# KiCad board ETH1CLCR2.kicad_pcb (continued)
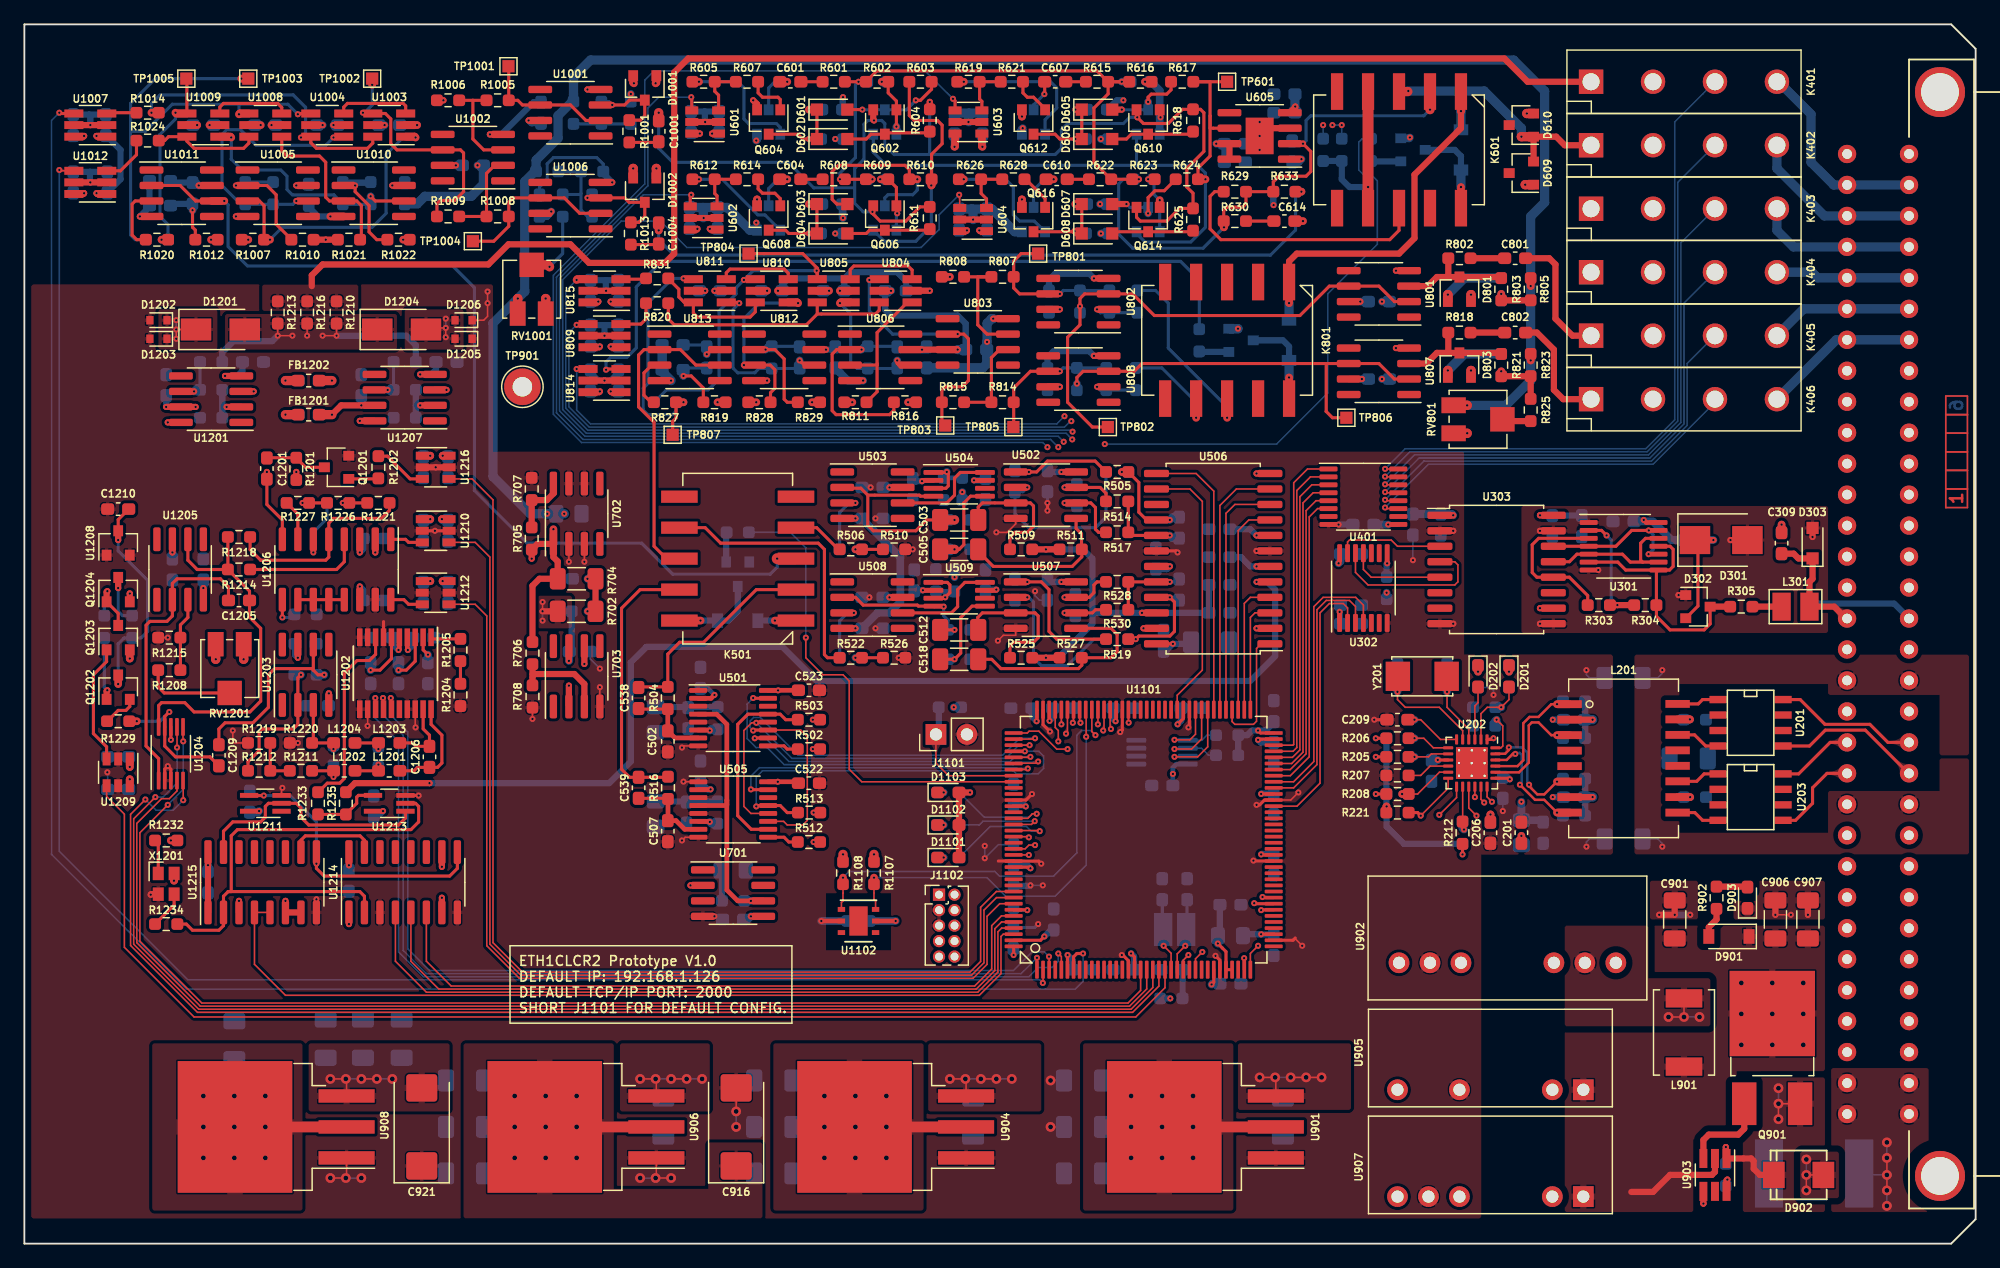
[diagram p0: board, top side]
## Footprints (pads in the part's own frame, mm; a bottom-side part is the same pattern mirrored in y, then rotated) (continued)
SOIC-8-1EP_3.9x4.9mm_P1.27mm_EP2.29x3mm
  rrect 0.92x1.21 smd: (-0.57,0.75) (-0.57,-0.75) (0.57,0.75) (0.57,-0.75)
  rrect 1.95x0.6 smd: 1(-2.475,1.905) 2(-2.475,0.635) 3(-2.475,-0.635) 4(-2.475,-1.905) 5(2.475,-1.905) 6(2.475,-0.635) 7(2.475,0.635) 8(2.475,1.905)
  rect 2.29x3 smd: 9(0,0)
SOIC-8_3.9x4.9mm_P1.27mm
  rrect 1.95x0.6 smd: 1(-2.475,1.905) 2(-2.475,0.635) 3(-2.475,-0.635) 4(-2.475,-1.905) 5(2.475,-1.905) 6(2.475,-0.635) 7(2.475,0.635) 8(2.475,1.905)
SOIC-16_3.9x9.9mm_P1.27mm
  rrect 1.95x0.6 smd: 1(-2.475,4.445) 2(-2.475,3.175) 3(-2.475,1.905) 4(-2.475,0.635) 5(-2.475,-0.635) 6(-2.475,-1.905) 7(-2.475,-3.175) 8(-2.475,-4.445) 9(2.475,-4.445) 10(2.475,-3.175) 11(2.475,-1.905) 12(2.475,-0.635) 13(2.475,0.635) 14(2.475,1.905) 15(2.475,3.175) 16(2.475,4.445)
SOIC-16W_7.5x10.3mm_P1.27mm
  rrect 2.05x0.6 smd: 1(-4.65,4.445) 2(-4.65,3.175) 3(-4.65,1.905) 4(-4.65,0.635) 5(-4.65,-0.635) 6(-4.65,-1.905) 7(-4.65,-3.175) 8(-4.65,-4.445) 9(4.65,-4.445) 10(4.65,-3.175) 11(4.65,-1.905) 12(4.65,-0.635) 13(4.65,0.635) 14(4.65,1.905) 15(4.65,3.175) 16(4.65,4.445)
SOIC-24W_7.5x15.4mm_P1.27mm
  rrect 2.05x0.6 smd: 1(-4.65,6.985) 2(-4.65,5.715) 3(-4.65,4.445) 4(-4.65,3.175) 5(-4.65,1.905) 6(-4.65,0.635) 7(-4.65,-0.635) 8(-4.65,-1.905) 9(-4.65,-3.175) 10(-4.65,-4.445) 11(-4.65,-5.715) 12(-4.65,-6.985) 13(4.65,-6.985) 14(4.65,-5.715) 15(4.65,-4.445) 16(4.65,-3.175) 17(4.65,-1.905) 18(4.65,-0.635) 19(4.65,0.635) 20(4.65,1.905) 21(4.65,3.175) 22(4.65,4.445) 23(4.65,5.715) 24(4.65,6.985)
SOT-23
  rect 0.9x0.8 smd: 1(-1,0.95) 2(-1,-0.95) 3(1,0)
SOT-23-6
  rect 1.06x0.65 smd: 1(-1.1,0.95) 2(-1.1,0) 3(-1.1,-0.95) 4(1.1,-0.95) 5(1.1,0) 6(1.1,0.95)
SOT-23-6_Handsoldering
  rect 1.56x0.65 smd: 1(-1.35,0.95) 2(-1.35,0) 3(-1.35,-0.95) 4(1.35,-0.95) 5(1.35,0) 6(1.35,0.95)
SOT-353_SC-70-5_Handsoldering
  rect 1.5x0.4 smd: 1(-1.33,0.65) 2(-1.33,0) 3(-1.33,-0.65) 4(1.33,-0.65) 5(1.33,0.65)
TestPoint_Loop_D2.60mm_Drill1.6mm_Beaded
  round 3 hole 1.6: 1(0,0)
TestPoint_Pad_1.0x1.0mm
  rect 1x1 smd: 1(0,0)
Texas_PWSON-N6
  rect 0.6x0.4 smd: 1(-1.4,0.95) 2(-1.4,0) 3(-1.4,-0.95) 4(1.4,-0.95) 5(1.4,0) 6(1.4,0.95)
  rect 1.5x2.4 smd: 7(0,0)
TO-252-2_Rectifier
  rect 3.5x2 smd: 1(-4.575,2.3) 3(-4.575,-2.28)
  rect 7x7 smd: 2(2.825,0)
TO-263-3_TabPin2
  rect 4.55x5.25 smd: (0.95,2.775) (0.95,-2.775) (5.8,2.775) (5.8,-2.775)
  rect 4.6x1.1 smd: 1(-5.775,2.54) 2(-5.775,0) 3(-5.775,-2.54)
  rect 9.4x10.8 smd: 2(3.375,0)
TQFP-144_20x20mm_P0.5mm
  rrect 1.475x0.3 smd: 1(-10.662,8.75) 2(-10.662,8.25) 3(-10.662,7.75) 4(-10.662,7.25) 5(-10.662,6.75) 6(-10.662,6.25) 7(-10.662,5.75) 8(-10.662,5.25) 9(-10.662,4.75) 10(-10.662,4.25) 11(-10.662,3.75) 12(-10.662,3.25) 13(-10.662,2.75) 14(-10.662,2.25) 15(-10.662,1.75) 16(-10.662,1.25) 17(-10.662,0.75) 18(-10.662,0.25) 19(-10.662,-0.25) 20(-10.662,-0.75) 21(-10.662,-1.25) 22(-10.662,-1.75) 23(-10.662,-2.25) 24(-10.662,-2.75) 25(-10.662,-3.25) 26(-10.662,-3.75) 27(-10.662,-4.25) 28(-10.662,-4.75) 29(-10.662,-5.25) 30(-10.662,-5.75) 31(-10.662,-6.25) 32(-10.662,-6.75) 33(-10.662,-7.25) 34(-10.662,-7.75) 35(-10.662,-8.25) 36(-10.662,-8.75) 73(10.662,-8.75) 74(10.662,-8.25) 75(10.662,-7.75) 76(10.662,-7.25) 77(10.662,-6.75) 78(10.662,-6.25) 79(10.662,-5.75) 80(10.662,-5.25) 81(10.662,-4.75) 82(10.662,-4.25) 83(10.662,-3.75) 84(10.662,-3.25) 85(10.662,-2.75) 86(10.662,-2.25) 87(10.662,-1.75) 88(10.662,-1.25) 89(10.662,-0.75) 90(10.662,-0.25) 91(10.662,0.25) 92(10.662,0.75) 93(10.662,1.25) 94(10.662,1.75) 95(10.662,2.25) 96(10.662,2.75) 97(10.662,3.25) 98(10.662,3.75) 99(10.662,4.25) 100(10.662,4.75) 101(10.662,5.25) 102(10.662,5.75) 103(10.662,6.25) 104(10.662,6.75) 105(10.662,7.25) 106(10.662,7.75) 107(10.662,8.25) 108(10.662,8.75)
  rrect 0.3x1.475 smd: 37(-8.75,-10.662) 38(-8.25,-10.662) 39(-7.75,-10.662) 40(-7.25,-10.662) 41(-6.75,-10.662) 42(-6.25,-10.662) 43(-5.75,-10.662) 44(-5.25,-10.662) 45(-4.75,-10.662) 46(-4.25,-10.662) 47(-3.75,-10.662) 48(-3.25,-10.662) 49(-2.75,-10.662) 50(-2.25,-10.662) 51(-1.75,-10.662) 52(-1.25,-10.662) 53(-0.75,-10.662) 54(-0.25,-10.662) 55(0.25,-10.662) 56(0.75,-10.662) 57(1.25,-10.662) 58(1.75,-10.662) 59(2.25,-10.662) 60(2.75,-10.662) 61(3.25,-10.662) 62(3.75,-10.662) 63(4.25,-10.662) 64(4.75,-10.662) 65(5.25,-10.662) 66(5.75,-10.662) 67(6.25,-10.662) 68(6.75,-10.662) 69(7.25,-10.662) 70(7.75,-10.662) 71(8.25,-10.662) 72(8.75,-10.662) 109(8.75,10.662) 110(8.25,10.662) 111(7.75,10.662) 112(7.25,10.662) 113(6.75,10.662) 114(6.25,10.662) 115(5.75,10.662) 116(5.25,10.662) 117(4.75,10.662) 118(4.25,10.662) 119(3.75,10.662) 120(3.25,10.662) 121(2.75,10.662) 122(2.25,10.662) 123(1.75,10.662) 124(1.25,10.662) 125(0.75,10.662) 126(0.25,10.662) 127(-0.25,10.662) 128(-0.75,10.662) 129(-1.25,10.662) 130(-1.75,10.662) 131(-2.25,10.662) 132(-2.75,10.662) 133(-3.25,10.662) 134(-3.75,10.662) 135(-4.25,10.662) 136(-4.75,10.662) 137(-5.25,10.662) 138(-5.75,10.662) 139(-6.25,10.662) 140(-6.75,10.662) 141(-7.25,10.662) 142(-7.75,10.662) 143(-8.25,10.662) 144(-8.75,10.662)
TSSOP-14_4.4x5mm_P0.65mm
  rrect 1.475x0.4 smd: 1(-2.862,1.95) 2(-2.862,1.3) 3(-2.862,0.65) 4(-2.862,0) 5(-2.862,-0.65) 6(-2.862,-1.3) 7(-2.862,-1.95) 8(2.862,-1.95) 9(2.862,-1.3) 10(2.862,-0.65) 11(2.862,0) 12(2.862,0.65) 13(2.862,1.3) 14(2.862,1.95)
TSSOP-16_4.4x5mm_P0.65mm
  rrect 1.475x0.4 smd: 1(-2.862,2.275) 2(-2.862,1.625) 3(-2.862,0.975) 4(-2.862,0.325) 5(-2.862,-0.325) 6(-2.862,-0.975) 7(-2.862,-1.625) 8(-2.862,-2.275) 9(2.862,-2.275) 10(2.862,-1.625) 11(2.862,-0.975) 12(2.862,-0.325) 13(2.862,0.325) 14(2.862,0.975) 15(2.862,1.625) 16(2.862,2.275)
TSSOP-20_4.4x6.5mm_P0.65mm
  rect 1.45x0.45 smd: 1(-2.95,2.925) 2(-2.95,2.275) 3(-2.95,1.625) 4(-2.95,0.975) 5(-2.95,0.325) 6(-2.95,-0.325) 7(-2.95,-0.975) 8(-2.95,-1.625) 9(-2.95,-2.275) 10(-2.95,-2.925) 11(2.95,-2.925) 12(2.95,-2.275) 13(2.95,-1.625) 14(2.95,-0.975) 15(2.95,-0.325) 16(2.95,0.325) 17(2.95,0.975) 18(2.95,1.625) 19(2.95,2.275) 20(2.95,2.925)
VSSOP-10_3x3mm_P0.5mm
  rrect 1.45x0.3 smd: 1(-2.2,1) 2(-2.2,0.5) 3(-2.2,0) 4(-2.2,-0.5) 5(-2.2,-1) 6(2.2,-1) 7(2.2,-0.5) 8(2.2,0) 9(2.2,0.5) 10(2.2,1)

## Nets
+1V5: R533.2 R535.2 R808.1 R811.2 R816.2 R828.2 R829.2 R1006.1 R1007.2 R1010.2 R1021.2 R1022.2 U703.2 U703.6
+3.3VP: C705.1 R704.1 R705.1 R706.1 R805.1 R823.1 R1004.1 R1018.1 RV801.1 RV1001.1 U702.1
+3V3: C201.1 C202.1 C301.1 C302.1 C522.1 C523.1 C535.1 C536.1 C619.1 C620.1 C621.1 C622.1 C818.1 C819.1 C820.1 C903.1 C904.1 C905.1 C1018.1 C1019.1 C1106.1 C1107.1 C1108.1 C1109.1 C1110.1 C1111.1 C1112.1 C1113.1 C1114.1 C1115.1 C1116.1 C1117.1 C1118.1 C1119.1 C1120.1 C1121.1 C1223.1 C1224.1 C1225.1 C1226.1 C1227.1 C1228.1 C1229.1 C1230.1 C1232.1 D1101.2 D1102.2 D1103.2 FB201.2 FB1101.2 J1102.1 R217.1 R218.1 R219.1 R220.1 R221.1 R301.1 R502.1 R503.1 R512.1 R513.1 R702.1 R1104.1 R1106.2 R1107.1 R1108.1 R1109.1 R1110.1 R1232.1 U202.9 U302.1 U501.16 U505.16 U506.2 U506.6 U506.8 U506.12 U601.6 U602.6 U603.6 U604.6 U809.6 U814.6 U815.6 U901.2 U1007.6 U1012.6 U1101.6 U1101.17 U1101.30 U1101.39 U1101.52 U1101.62 U1101.72 U1101.84 U1101.95 U1101.108 U1101.121 U1101.131 U1101.143 U1101.144 U1102.5 U1103.8 U1202.5 U1204.8 U1209.6 U1210.6 U1211.5 U1212.6 U1213.5 U1214.1 U1214.7 U1214.10 U1214.16 U1215.1 U1215.3 U1215.6 U1215.7 U1215.16 U1216.6 X1201.4
+4V: R701.1 U501.4 U505.4 U701.6
+5V: C303.1 C304.1 C305.1 C401.1 C520.1 C521.1 C534.1 C615.1 C616.1 C617.1 C618.1 C821.1 C822.1 C823.1 C909.1 C910.1 C911.1 C1016.1 C1017.1 C1220.1 C1221.1 C1222.1 C1231.1 D501.1 D611.1 D802.1 K401.2 K402.2 K403.2 K404.2 K405.2 K406.2 K501.1 K601.1 K801.1 U302.14 U303.1 U401.9 U501.2 U505.2 U506.19 U601.1 U602.1 U603.1 U604.1 U701.2 U809.1 U814.1 U815.1 U904.2 U1007.1 U1012.1 U1209.1 U1210.1 U1212.1 U1216.1
+5V_TRIG: C306.1 C307.1 C308.1 R302.1 U301.14 U303.10 U303.16
+5VA: C524.1 C525.1 C526.1 C527.1 C528.1 C529.1 C623.1 C625.1 C807.1 C808.1 C809.1 C810.1 C811.1 C812.1 C813.1 C814.1 C815.1 C816.1 C817.1 C913.1 C914.1 C915.1 C916.1 C1007.1 C1008.1 C1009.1 C1010.1 C1011.1 C1012.1 C1013.1 C1014.1 C1015.1 C1211.1 C1212.1 C1213.1 C1214.1 C1215.1 D801.2 D803.2 D1001.2 D1002.2 D1201.1 D1202.1 D1203.1 FB1201.1 Q604.2 Q608.2 Q612.2 Q616.2 Q1203.2 R819.2 R1012.2 R1201.1 RV1201.1 U502.8 U503.7 U504.2 U507.8 U508.7 U509.2 U605.7 U605.8 U801.7 U802.7 U803.7 U804.5 U805.5 U806.7 U807.7 U808.7 U810.5 U811.5 U812.7 U906.2 U1001.7 U1002.7 U1003.5 U1004.5 U1005.7 U1006.7 U1008.5 U1009.5 U1010.7 U1201.8 U1202.4 U1203.7 U1205.7 U1206.2 U1206.14 U1207.8
+24V: F901.2 J401.A31 J401.A32 J401.C31 J401.C32
-5VA: C530.1 C531.1 C532.1 C533.1 C624.1 C626.1 C918.2 C919.2 C920.2 C921.2 C1216.1 C1217.1 C1218.1 C1219.1 D1204.2 D1205.2 D1206.2 FB1202.1 Q1204.2 R606.2 R613.2 R620.2 R627.2 RV1201.3 U503.4 U504.7 U508.4 U509.7 U605.4 U908.3 U1203.4 U1205.4 U1206.3
GND: C201.2 C202.2 C203.2 C204.2 C205.2 C206.2 C207.2 C208.2 C209.2 C210.2 C212.2 C213.2 C214.2 C301.2 C302.2 C303.2 C304.2 C305.2 C401.2 C502.2 C507.2 C509.2 C510.2 C511.2 C513.2 C514.2 C515.2 C516.2 C520.2 C521.2 C522.2 C523.2 C524.2 C525.2 C526.2 C527.2 C528.2 C529.2 C530.2 C531.2 C532.2 C533.2 C534.2 C535.2 C536.2 C537.2 C603.2 C606.2 C609.2 C612.2 C614.2 C615.2 C616.2 C617.2 C618.2 C619.2 C620.2 C621.2 C622.2 C623.2 C624.2 C625.2 C626.2 C701.2 C702.2 C703.2 C704.2 C705.2 C804.1 C805.1 C807.2 C808.2 C809.2 C810.2 C811.2 C812.2 C813.2 C814.2 C815.2 C816.2 C817.2 C818.2 C819.2 C820.2 C821.2 C822.2 C823.2 C902.2 C903.2 C904.2 C905.2 C908.2 C909.2 C910.2 C911.2 C912.2 C913.2 C914.2 C915.2 C916.2 C917.1 C918.1 C919.1 C920.1 C921.1 C1003.1 C1005.1 C1007.2 C1008.2 C1009.2 C1010.2 C1011.2 C1012.2 C1013.2 C1014.2 C1015.2 C1016.2 C1017.2 C1018.2 C1019.2 C1101.2 C1102.2 C1103.2 C1104.2 C1105.2 C1106.2 C1107.2 C1108.2 C1109.2 C1110.2 C1111.2 C1112.2 C1113.2 C1114.2 C1115.2 C1116.2 C1117.2 C1118.2 C1119.2 C1120.2 C1121.2 C1122.2 C1202.2 C1203.1 C1204.1 C1210.1 C1211.2 C1212.2 C1213.2 C1214.2 C1215.2 C1216.2 C1217.2 C1218.2 C1219.2 C1220.2 C1221.2 C1222.2 C1223.2 C1224.2 C1225.2 C1226.2 C1227.2 C1228.2 C1229.2 C1230.2 C1231.2 C1232.2 C1233.2 C1234.2 C1235.2 C1236.2 D609.1 D610.2 D801.1 D803.1 D1001.1 D1002.1 D1202.2 D1203.2 D1205.1 D1206.1 J1101.2 J1102.3 J1102.5 K403.1 K404.1 Q501.2 Q603.2 Q607.2 Q611.2 Q615.2 Q617.2 Q801.2 Q1201.2 R207.2 R209.1 R213.2 R214.2 R215.2 R216.2 R508.2 R510.1 R515.2 R524.2 R526.1 R529.2 R532.2 R534.2 R631.2 R632.2 R634.2 R707.2 R708.2 R804.2 R822.2 R1003.2 R1017.2 R1105.2 R1204.1 R1209.2 R1215.2 R1219.2 R1220.2 R1222.2 R1225.2 R1228.2 RV801.3 RV1001.3 TP901.1 U202.25 U302.7 U303.2 U303.8 U401.8 U501.1 U501.3 U501.5 U501.8 U502.4 U505.1 U505.3 U505.5 U505.8 U506.7 U506.18 U506.23 U507.4 U601.2 U601.5 U602.2 U602.5 U603.2 U603.5 U604.2 U604.5 U605.3 U605.9 U701.4 U702.2 U702.3 U702.6 U702.7 U703.4 U801.4 U802.4 U803.4 U804.2 U805.2 U806.4 U807.4 U808.4 U809.2 U809.5 U810.2 U811.2 U812.4 U813.4 U814.2 U814.5 U815.2 U815.5 U901.1 U902.7 U904.1 U905.5 U906.1 U907.6 U908.1 U1001.4 U1002.4 U1003.2 U1004.2 U1005.4 U1006.4 U1007.2 U1007.5 U1008.2 U1009.2 U1010.4 U1011.4 U1012.2 U1012.5 U1101.16 U1101.31 U1101.38 U1101.51 U1101.61 U1101.83 U1101.94 U1101.107 U1101.120 U1101.130 U1102.2 U1103.1 U1103.2 U1103.3 U1103.4 U1202.7 U1202.9 U1202.10 U1202.11 U1202.12 U1202.17 U1202.18 U1204.2 U1204.3 U1206.15 U1208.1 U1208.2 U1209.2 U1209.5 U1210.2 U1210.5 U1211.3 U1212.2 U1212.5 U1213.3 U1214.3 U1214.8 U1215.8 U1216.2 U1216.5 X1201.2
GND_TRIG: C306.2 C307.2 C308.2 D301.2 D302.1 D303.2 J401.C16 R306.2 U301.1 U301.7 U303.9 U303.15
GNDPWR: C901.2 C906.2 C907.2 D902.2 D903.1 J401.A27 J401.A28 J401.C27 J401.C28 U902.1 U903.4 U905.2 U907.2
VCCQ: C203.1 C204.1 C205.1 C206.1 C207.1 C210.1 FB201.1 L201.2 L201.7 R201.1 R202.1 R203.1 R204.1 U202.1 U202.19
/ADC/ADC1_IIN: C538.2 K501.2 R504.2
/ADC/ADC1_MISO: R513.2 U505.13 U1101.112
/ADC/ADC1_MOSI: U501.10 U1101.113
/ADC/ADC1_RVS1: U501.15 U1101.114
/ADC/ADC1_RVS2: U505.15 U1101.115
/ADC/ADC1_SCLK: U501.12 U505.12 U1101.111
/ADC/ADC1_VIN: C539.2 K501.9 R516.2
/ADC/ADC1_~{CS}: U501.11 U505.11 U1101.110
/ADC/ADC2_IIN: K501.4 R506.2
/ADC/ADC2_LRCK: U506.3 U1101.73
/ADC/ADC2_M0: U506.13 U1101.79
/ADC/ADC2_M1: U506.14 U1101.85
/ADC/ADC2_MDIV: U506.10 U1101.77
/ADC/ADC2_SCLK: U506.4 U1101.74
/ADC/ADC2_SDOUT: U506.9 U1101.75
/ADC/ADC2_VIN: K501.7 R522.2
/ADC/ADC_IIN: K501.3 U1011.2 U1011.6
/ADC/ADC_SEL: R531.1 U1101.117
/ADC/ADC_VIN: K501.8 U813.2 U813.6
/ADC/CAP1: R520.1 U501.6
/ADC/CAP2: R521.1 U505.6
/ADC/DDS_CLK: R1235.1 U506.5
/ADC/VQ: C509.1 C510.1 R509.2 R511.2 R525.2 R527.2 U506.22
/ADC/~{ADC2_HPF}: U506.11 U1101.78
/ADC/~{ADC2_RST}: U506.1 U1101.76
/Connector/A: J401.A2 J401.C2 K401.4
/Connector/B: J401.A3 J401.C3 K402.4
/Connector/C: J401.A4 J401.C4 K403.4
/Connector/CXN_REL1: U401.1 U1101.70
/Connector/CXN_REL2: U401.2 U1101.69
/Connector/CXN_REL3: U401.3 U1101.68
/Connector/CXN_REL4: U401.4 U1101.67
/Connector/CXN_REL5: U401.5 U1101.66
/Connector/CXN_REL6: U401.6 U1101.65
/Connector/D: J401.A5 J401.C5 K404.4
/Connector/E: J401.A6 J401.C6 K405.4
/Connector/EXT_TRIG: C309.1 D303.1 J401.A16 L301.1
/Connector/F: J401.A7 J401.C7 K406.4
/Connector/H_CUR: K401.1 R1210.1 R1213.1 R1216.1
/Connector/H_POT: C801.2 K405.1
/Connector/L_CUR: D609.2 D610.1 K402.1 K601.3
/Connector/L_POT: C802.2 K406.1
/Connector/RX+: J401.A20 U203.8
/Connector/RX-: J401.A21 U203.5
/Connector/TX+: J401.C20 U201.8
/Connector/TX-: J401.C21 U201.5
/Current Diff Amp/CUR_IN: C1001.2 Q602.2 Q606.2 Q610.2 Q614.2 R604.1 R611.1 R618.1 R625.1
/Current Diff Amp/CUR_ZERO: C1004.2 R633.1 R634.1
/Current Diff Amp/IDIFF0: U1012.4 U1101.2
/Current Diff Amp/IDIFF1: U1007.4 U1101.7
/DDS/A0: U1206.1 U1210.3
/DDS/A1: U1206.16 U1212.3
/DDS/DDS_CS: U1101.3 U1202.15
/DDS/DDS_DIV2: U1101.141 U1214.4
/DDS/DDS_DIV4: U1101.140 U1214.5
/DDS/DDS_DIV8: U1101.139 U1214.6
/DDS/DDS_LPF: U1101.135 U1216.4
/DDS/DDS_SCLK: U1101.1 U1202.14
/DDS/DDS_SDATA: U1101.5 U1202.13
/DDS/LPF: R1202.2 U1216.3
/DDS/MCLK: R1233.1 U1202.8
/DDS/MDAC_CS: U1101.18 U1204.6
/DDS/MDAC_SCK: U1101.19 U1204.4
/DDS/MDAC_SDIN: U1101.21 U1204.5
/DDS/MDAC_SDO: U1101.20 U1204.7
/DDS/MUX_A0: U1101.136 U1210.4
/DDS/MUX_A1: U1101.137 U1212.4
/DDS/R-DC: C1209.1 R1229.1 U1204.9
/DDS/~{DDS_DIV10}: U1101.142 U1215.4 U1215.5
/DDS/~{RDC}: U1101.22 U1209.4
/Ethernet/ETH_RXN: L201.8 R204.2 U202.22
/Ethernet/ETH_RXP: L201.6 R203.2 U202.23
/Ethernet/ETH_TXN: L201.3 R202.2 U202.20
/Ethernet/ETH_TXP: L201.1 R201.2 U202.21
/Ethernet/MODE0: R205.1 R217.2 U202.8
/Ethernet/MODE1: R206.1 R218.2 U202.7
/Ethernet/MODE2: R208.1 R219.2 U202.11
/Ethernet/NRST: C1105.1 J1102.10 R1104.2 U202.15 U1101.25
/Ethernet/REF_CLK: R212.2 U1101.35
/Ethernet/REFCLK0: R212.1 R220.2 U202.14
/Ethernet/RMII_CRS_DV: R208.2 U1101.43
/Ethernet/RMII_MDC: U202.13 U1101.27
/Ethernet/RMII_MDIO: R221.2 U202.12 U1101.36
/Ethernet/RMII_RXD0: R205.2 U1101.44
/Ethernet/RMII_RXD1: R206.2 U1101.45
/Ethernet/RMII_TXD0: U202.17 U1101.128
/Ethernet/RMII_TXD1: U202.18 U1101.129
/Ethernet/RMII_TXEN: U202.16 U1101.126
/I/V Converter/IRR0: R635.2 U1101.93
/I/V Converter/IRR1: U601.4 U1101.103
/I/V Converter/IRR2: U602.4 U1101.102
/I/V Converter/IRR3: U603.4 U1101.104
/I/V Converter/IRR4: U604.4 U1101.101
/MCU/EEPROM_SCL: R1110.2 U1101.81 U1103.6
/MCU/EEPROM_SDA: R1109.2 U1101.82 U1103.5
/MCU/EEPROM_WP: U1101.80 U1103.7
/MCU/LED_BLUE: R1103.1 U1101.123
/MCU/LED_GREEN: R1101.1 U1101.125
/MCU/LED_RED: R1102.1 U1101.124
/MCU/MCU_DEFAULT: J1101.1 R1106.1 U1101.116
/MCU/MCU_VDDA: C1122.1 FB1101.1 U1101.32 U1101.33
/MCU/SENS_SCL: R1107.2 U1101.100 U1102.6
/MCU/SENS_SDA: R1108.2 U1101.99 U1102.1
/MCU/TCK_SWCLK: J1102.4 U1101.109
/MCU/TMS_SWDIO: J1102.2 U1101.105
/MCU/TRIG_EN: U302.2 U1101.60
/MCU/TRIG_IN: U302.4 U1101.64
/MCU/TRIG_OUT: U302.3 U1101.63
/MCU/VDIFF0: U814.4 U1101.96
/MCU/VDIFF1: U815.4 U1101.98
/MCU/VDIFF2: U809.4 U1101.97
/Trigger/EXT_TRIG_SIGN: R303.1 U301.3 U303.12
/Trigger/TRIG_OUT_EN: U301.4 U301.10 U301.13 U303.14
/Trigger/TRIG_OUT_SIGN: U301.5 U301.9 U301.12 U303.13
Earth: C211.2 C212.1 J401.A18 J401.A22 J401.C18 J401.C22 R216.1
Net-(C208-Pad1): C208.1 C209.1 U202.6
Net-(C211-Pad1): C211.1 R210.2 R211.2
Net-(C213-Pad1): C213.1 U202.5 Y201.2
Net-(C214-Pad1): C214.1 U202.4 Y201.1
Net-(C309-Pad2): C309.2 R306.1
Net-(C501-Pad1): C501.1 R505.2 U502.1
Net-(C501-Pad2): C501.2 R501.2 U502.2
Net-(C502-Pad1): C502.1 C538.1 R504.1 U501.7
Net-(C503-Pad1): C503.1 R509.1 U502.3
Net-(C503-Pad2): C503.2 R508.1 U503.2 U504.4
Net-(C504-Pad1): C504.1 R501.1 R505.1 U506.16
Net-(C504-Pad2): C504.2 R514.1 R517.1 U506.17
Net-(C505-Pad1): C505.1 R511.1 U502.5
Net-(C505-Pad2): C505.2 R515.1 U504.5
Net-(C506-Pad1): C506.1 R514.2 U502.7
Net-(C506-Pad2): C506.2 R517.2 U502.6
Net-(C507-Pad1): C507.1 C539.1 R516.1 U505.7
Net-(C508-Pad1): C508.1 R519.2 U507.1
Net-(C508-Pad2): C508.2 R518.2 U507.2
Net-(C511-Pad1): C511.1 C537.1 U506.24
Net-(C512-Pad1): C512.1 R525.1 U507.3
Net-(C512-Pad2): C512.2 R524.1 U508.2 U509.4
Net-(C513-Pad1): C513.1 C514.1 R520.2
Net-(C515-Pad1): C515.1 C516.1 R521.2
Net-(C517-Pad1): C517.1 R518.1 R519.1 U506.21
Net-(C517-Pad2): C517.2 R528.1 R530.1 U506.20
Net-(C518-Pad1): C518.1 R527.1 U507.5
Net-(C518-Pad2): C518.2 R529.1 U509.5
Net-(C519-Pad1): C519.1 R528.2 U507.7
Net-(C519-Pad2): C519.2 R530.2 U507.6
Net-(C601-Pad1): C601.1 R601.2
Net-(C601-Pad2): C601.2 Q603.3
Net-(C602-Pad1): C602.1 Q601.1 Q602.1 R602.1
Net-(C602-Pad2): C602.2 C605.2 C608.2 C611.2 C613.2 K601.2 R601.1 R602.2 R608.1 R609.2 R615.1 R616.2 R622.1 R623.2 R629.1 R630.1 R633.2 U605.2
Net-(C603-Pad1): C603.1 D601.1 D602.1 Q604.3 R606.1
Net-(C604-Pad1): C604.1 R608.2
Net-(C604-Pad2): C604.2 Q607.3
Net-(C605-Pad1): C605.1 Q605.1 Q606.1 R609.1
Net-(C606-Pad1): C606.1 D603.1 D604.1 Q608.3 R613.1
Net-(C607-Pad1): C607.1 R615.2
Net-(C607-Pad2): C607.2 Q611.3
Net-(C608-Pad1): C608.1 Q609.1 Q610.1 R616.1
Net-(C609-Pad1): C609.1 D605.1 D606.1 Q612.3 R620.1
Net-(C610-Pad1): C610.1 R622.2
Net-(C610-Pad2): C610.2 Q615.3
Net-(C611-Pad1): C611.1 Q613.1 Q614.1 R623.1
Net-(C612-Pad1): C612.1 D607.1 D608.1 Q616.3 R627.1
Net-(C613-Pad1): C613.1 U605.1
Net-(C614-Pad1): C614.1 R630.2
Net-(C701-Pad1): C701.1 U701.5
Net-(C702-Pad1): C702.1 R701.2
Net-(C703-Pad1): C703.1 R703.1 U703.7
Net-(C704-Pad1): C704.1 R702.2 R703.2 R704.2
Net-(C801-Pad1): C801.1 R802.2
Net-(C802-Pad1): C802.1 R818.2
Net-(C803-Pad1): C803.1 R817.1 U805.1 U806.6
Net-(C803-Pad2): C803.2 R816.1 R817.2 U806.2
Net-(C804-Pad2): C804.2 FB801.1 R819.1
Net-(C805-Pad2): C805.2 FB801.2 U813.7
Net-(C806-Pad1): C806.1 R830.1 U811.1 U812.6
Net-(C806-Pad2): C806.2 R829.1 R830.2 U812.2
Net-(C901-Pad1): C901.1 C906.1 C907.1 D901.1 L901.1 Q901.2 U903.2 U905.1 U907.1
Net-(C902-Pad1): C902.1 U901.3 U902.6
Net-(C908-Pad1): C908.1 U904.3 U905.7
Net-(C912-Pad1): C912.1 U906.3 U907.7
Net-(C917-Pad2): C917.2 U907.5 U908.2
Net-(C1001-Pad1): C1001.1 R1001.2
Net-(C1002-Pad1): C1002.1 R1011.1 U1004.1 U1005.6
Net-(C1002-Pad2): C1002.2 R1010.1 R1011.2 U1005.2
Net-(C1003-Pad2): C1003.2 FB1001.1 R1012.1
Net-(C1004-Pad1): C1004.1 R1013.2
Net-(C1005-Pad2): C1005.2 FB1001.2 U1011.7
Net-(C1006-Pad1): C1006.1 R1023.1 U1009.1 U1010.6
Net-(C1006-Pad2): C1006.2 R1022.1 R1023.2 U1010.2
Net-(C1101-Pad1): C1101.1 U1101.23 Y1101.1
Net-(C1102-Pad1): C1102.1 U1101.24 Y1101.2
Net-(C1103-Pad1): C1103.1 U1101.71
Net-(C1104-Pad1): C1104.1 U1101.106
Net-(C1201-Pad1): C1201.1 U1201.3 U1206.8 U1207.3
Net-(C1201-Pad2): C1201.2 Q1201.3 R1201.2
Net-(C1202-Pad1): C1202.1 U1202.6
Net-(C1203-Pad2): C1203.2 U1202.3
Net-(C1204-Pad2): C1204.2 U1202.2
Net-(C1205-Pad1): C1205.1 R1214.2 R1218.2 U1204.10 U1205.6
Net-(C1205-Pad2): C1205.2 U1204.1 U1205.2
Net-(C1206-Pad1): C1206.1 L1201.1 U1202.20
Net-(C1206-Pad2): C1206.2 L1203.1 U1202.19
Net-(C1207-Pad1): C1207.1 L1201.2 L1202.1
Net-(C1207-Pad2): C1207.2 L1203.2 L1204.1
Net-(C1208-Pad1): C1208.1 L1202.2 R1211.2
Net-(C1208-Pad2): C1208.2 L1204.2 R1220.1 U1203.3
Net-(C1209-Pad2): C1209.2 R1207.1 U1203.6
Net-(C1210-Pad2): C1210.2 Q1202.3 R1231.1 U1208.3
Net-(C1233-Pad1): C1233.1 C1234.1 FB1201.2 U1201.7 U1207.7
Net-(C1235-Pad1): C1235.1 C1236.1 FB1202.2 U1201.4 U1207.4
Net-(D201-Pad1): D201.1 R214.1
Net-(D201-Pad2): D201.2 R213.1 U202.2
Net-(D202-Pad1): D202.1 R215.1
Net-(D202-Pad2): D202.2 U202.3
Net-(D301-Pad1): D301.1 D302.2 R302.2
Net-(D302-Pad3): D302.3 R304.2 R305.1 U301.6 U301.8 U301.11
Net-(D501-Pad2): D501.2 K501.10 Q501.3
Net-(D601-Pad2): D601.2 Q601.3 R603.2
Net-(D602-Pad2): D602.2 Q602.3 R604.2
Net-(D603-Pad2): D603.2 Q605.3 R610.2
Net-(D604-Pad2): D604.2 Q606.3 R611.2
Net-(D605-Pad2): D605.2 Q609.3 R617.2
Net-(D606-Pad2): D606.2 Q610.3 R618.2
Net-(D607-Pad2): D607.2 Q613.3 R624.2
Net-(D608-Pad2): D608.2 Q614.3 R625.2
Net-(D611-Pad2): D611.2 K601.10 Q617.3
Net-(D801-Pad3): D801.3 R802.1 R803.2 U801.3
Net-(D802-Pad2): D802.2 K801.10 Q801.3
Net-(D803-Pad3): D803.3 R818.1 R821.2 U807.3
Net-(D901-Pad2): D901.2 R902.1
Net-(D902-Pad1): D902.1 F901.1 Q901.3 R901.1 U903.1
Net-(D903-Pad2): D903.2 R902.2
Net-(D1001-Pad3): D1001.3 R1001.1 R1002.2 U1001.3
Net-(D1002-Pad3): D1002.3 R1013.1 R1015.2 U1006.3
Net-(D1101-Pad1): D1101.1 R1101.2
Net-(D1102-Pad1): D1102.1 R1102.2
Net-(D1103-Pad1): D1103.1 R1103.2
Net-(D1201-Pad2): D1201.2 D1204.1 R1206.1 R1210.2 R1213.2 R1216.2 R1224.1
Net-(K401-Pad3): K401.3 U401.16
Net-(K402-Pad3): K402.3 U401.15
Net-(K403-Pad3): K403.3 U401.14
Net-(K404-Pad3): K404.3 U401.13
Net-(K405-Pad3): K405.3 U401.12
Net-(K406-Pad3): K406.3 U401.11
Net-(K601-Pad4): K601.4 K601.7 R631.1 R632.1
Net-(K601-Pad8): K601.8 R629.2
Net-(K801-Pad7): K801.7 R810.1
Net-(K801-Pad8): K801.8 R809.2
Net-(L201-Pad9): L201.9 U203.4
Net-(L201-Pad10): L201.10 R210.1
Net-(L201-Pad11): L201.11 U203.1
Net-(L201-Pad14): L201.14 U201.4
Net-(L201-Pad15): L201.15 R211.1
Net-(L201-Pad16): L201.16 U201.1
Net-(L301-Pad2): L301.2 R305.2
Net-(L901-Pad2): L901.2 U902.2
Net-(Q501-Pad1): Q501.1 R531.2
Net-(Q601-Pad2): Q601.2 Q605.2 Q609.2 Q613.2 R603.1 R610.1 R617.1 R624.1 TP601.1 U605.6
Net-(Q603-Pad1): Q603.1 R605.1
Net-(Q604-Pad1): Q604.1 R607.1
Net-(Q607-Pad1): Q607.1 R612.1
Net-(Q608-Pad1): Q608.1 R614.1
Net-(Q611-Pad1): Q611.1 R619.1
Net-(Q612-Pad1): Q612.1 R621.1
Net-(Q615-Pad1): Q615.1 R626.1
Net-(Q616-Pad1): Q616.1 R628.1
Net-(Q617-Pad1): Q617.1 R635.1
Net-(Q801-Pad1): Q801.1 R812.1
Net-(Q901-Pad1): Q901.1 U903.3
Net-(Q1201-Pad1): Q1201.1 R1202.1
Net-(Q1202-Pad1): Q1202.1 R1230.1
Net-(Q1202-Pad2): Q1202.2 R1229.2
Net-(Q1203-Pad1): Q1203.1 U1209.3
Net-(Q1203-Pad3): Q1203.3 Q1204.1 R1230.2
Net-(Q1204-Pad3): Q1204.3 R1231.2
Net-(R207-Pad1): R207.1 U202.10
Net-(R209-Pad2): R209.2 U202.24
Net-(R301-Pad2): R301.2 U302.8
Net-(R303-Pad2): R303.2 R304.1 U301.2
Net-(R502-Pad2): R502.2 U501.9
Net-(R503-Pad2): R503.2 U501.13 U505.10
Net-(R506-Pad1): R506.1 R507.2 R510.2
Net-(R507-Pad1): R507.1 U503.3
Net-(R512-Pad2): R512.2 U505.9
Net-(R522-Pad1): R522.1 R523.2 R526.2
Net-(R523-Pad1): R523.1 U508.3
Net-(R532-Pad1): R532.1 R533.1 U504.1 U504.3
Net-(R534-Pad1): R534.1 R535.1 U509.1 U509.3
Net-(R605-Pad2): R605.2 R607.2 U601.3
Net-(R612-Pad2): R612.2 R614.2 U602.3
Net-(R619-Pad2): R619.2 R621.2 U603.3
Net-(R626-Pad2): R626.2 R628.2 U604.3
Net-(R705-Pad2): R705.2 R707.1 U702.8
Net-(R706-Pad2): R706.2 R708.1 U703.3
Net-(R801-Pad1): R801.1 R806.1 R807.2 TP801.1 U802.6
Net-(R801-Pad2): R801.2 TP802.1 U801.2 U801.6 U802.3
Net-(R803-Pad1): R803.1 R804.1 R805.2
Net-(R806-Pad2): R806.2 R809.1 U802.2
Net-(R807-Pad1): R807.1 R808.2 U803.3
Net-(R810-Pad2): R810.2 R826.2 U808.2
Net-(R811-Pad1): R811.1 U804.1 U806.3
Net-(R812-Pad2): R812.2 U814.3
Net-(R813-Pad1): R813.1 R814.2 R826.1 TP805.1 U808.6
Net-(R813-Pad2): R813.2 TP806.1 U807.2 U807.6 U808.3
Net-(R814-Pad1): R814.1 R815.2 U803.2
Net-(R815-Pad1): R815.1 TP803.1 U803.6 U804.4
Net-(R820-Pad1): R820.1 U804.6 U805.6
Net-(R820-Pad2): R820.2 U809.3
Net-(R821-Pad1): R821.1 R822.1 R823.2 R825.2
Net-(R824-Pad1): R824.1 TP804.1 U805.4 U810.4
Net-(R824-Pad2): R824.2 R827.2 TP807.1 U811.4
Net-(R825-Pad1): R825.1 RV801.2
Net-(R827-Pad1): R827.1 U813.3
Net-(R828-Pad1): R828.1 U810.1 U812.3
Net-(R831-Pad1): R831.1 U810.6 U811.6
Net-(R831-Pad2): R831.2 U815.3
Net-(R901-Pad2): R901.2 U903.6
Net-(R1002-Pad1): R1002.1 R1003.1 R1004.2
Net-(R1005-Pad1): R1005.1 R1006.2 U1002.3
Net-(R1005-Pad2): R1005.2 TP1001.1 U1001.2 U1001.6
Net-(R1007-Pad1): R1007.1 U1003.1 U1005.3
Net-(R1008-Pad1): R1008.1 R1009.2 U1002.2
Net-(R1008-Pad2): R1008.2 TP1004.1 U1006.2 U1006.6
Net-(R1009-Pad1): R1009.1 TP1002.1 U1002.6 U1003.4
Net-(R1014-Pad1): R1014.1 U1003.6 U1004.6
Net-(R1014-Pad2): R1014.2 U1007.3
Net-(R1015-Pad1): R1015.1 R1017.1 R1018.2 R1019.2
Net-(R1016-Pad1): R1016.1 TP1003.1 U1004.4 U1008.4
Net-(R1016-Pad2): R1016.2 R1020.2 TP1005.1 U1009.4
Net-(R1019-Pad1): R1019.1 RV1001.2
Net-(R1020-Pad1): R1020.1 U1011.3
Net-(R1021-Pad1): R1021.1 U1008.1 U1010.3
Net-(R1024-Pad1): R1024.1 U1008.6 U1009.6
Net-(R1024-Pad2): R1024.2 U1012.3
Net-(R1105-Pad1): R1105.1 U1101.138
Net-(R1203-Pad1): R1203.1 R1206.2 U1201.6
Net-(R1203-Pad2): R1203.2 R1209.1 U1201.2
Net-(R1204-Pad2): R1204.2 R1205.1
Net-(R1205-Pad2): R1205.2 U1202.1
Net-(R1207-Pad2): R1207.2 R1212.1 U1203.2
Net-(R1208-Pad1): R1208.1 RV1201.2
Net-(R1208-Pad2): R1208.2 R1215.1 U1205.3
Net-(R1211-Pad1): R1211.1 R1212.2 R1219.1